# Allegro board 8880F5-0823_RXTX.brd (continued)
## Placement (name value [footprint] x y rotation side) (continued)
NOREF#237  -  []  377.23 273.11 0 top
NOREF#238  -  []  257.09 223.52 90 top
NOREF#239  -  []  327.27 131.64 90 top
NOREF#240  -  []  485.36 257.36 90 top
NOREF#241  -  []  272.55 242.64 0 top
NOREF#242  -  []  303.15 271.32 90 top
NOREF#243  -  []  456.04 222.5 0 top
NOREF#244  -  []  420.62 239.21 90 top
NOREF#245  -  []  338.2 246.67 0 top
NOREF#246  -  []  303.26 139.64 0 top
NOREF#247  -  []  485.36 259.9 90 top
NOREF#248  -  []  258.35 288.91 90 top
NOREF#249  -  []  303.56 233.86 90 top
NOREF#250  -  []  471.21 168.33 0 top
NOREF#251  -  []  106.11 234.24 0 top
NOREF#252  -  []  201.49 146.18 90 top
NOREF#253  -  []  411.09 146.88 90 top
NOREF#254  -  []  334.29 205.56 90 top
NOREF#255  -  []  265.81 296.86 0 top
NOREF#256  -  []  115.61 211.51 90 top
NOREF#257  -  []  262.04 224.72 0 top
NOREF#258  -  []  390.94 289.17 90 top
NOREF#259  -  []  331.62 265.56 90 top
NOREF#260  -  []  415.08 139.89 0 top
NOREF#261  -  []  396.03 146.88 0 top
NOREF#262  -  []  305.94 296.86 0 top
NOREF#263  -  []  383.09 289.12 0 top
NOREF#264  -  []  175.7 243.88 90 top
NOREF#265  -  []  343.63 225.04 90 top
NOREF#266  -  []  465.45 276.41 90 top
NOREF#267  -  []  302.11 180.71 0 top
NOREF#268  -  []  272.55 181.37 0 top
NOREF#269  -  []  229.51 249.2 0 top
NOREF#270  -  []  306.27 216.63 90 top
NOREF#271  -  []  284.77 146.93 90 top
NOREF#272  -  []  219.76 297.18 0 top
NOREF#273  -  []  390.94 273.16 90 top
NOREF#274  -  []  185.2 292.55 90 top
NOREF#275  -  []  371.48 257.11 0 top
NOREF#276  -  []  167.7 206.29 90 top
NOREF#277  -  []  292.74 288.86 0 top
NOREF#278  -  []  343.63 163.82 90 top
NOREF#279  -  []  423.71 181.22 90 top
NOREF#280  -  []  184.47 151.68 90 top
NOREF#281  -  []  392.24 194.78 90 top
NOREF#282  -  []  271.04 181.69 0 top
NOREF#283  -  []  96.58 195.15 0 top
NOREF#284  -  []  310.41 187.61 90 top
NOREF#285  -  []  456.08 230.2 0 top
NOREF#286  -  []  412.88 139.89 0 top
NOREF#287  -  []  252.83 204.65 90 top
NOREF#288  -  []  385.32 161.49 90 top
NOREF#289  -  []  337.09 223.52 90 top
NOREF#290  -  []  122.15 187.53 0 top
NOREF#291  -  []  388.43 146.88 0 top
NOREF#292  -  []  75.98 287.84 90 top
NOREF#293  -  []  352.25 241.05 90 top
NOREF#294  -  []  118.7 182.93 90 top
NOREF#295  -  []  239.33 236.03 0 top
NOREF#296  -  []  230.73 253.69 0 top
NOREF#297  -  []  167.7 204.09 90 top
NOREF#298  -  []  272.8 145.48 90 top
NOREF#299  -  []  352.55 243.91 0 top
NOREF#300  -  []  329.6 224.74 90 top
NOREF#301  -  []  96.33 238.84 0 top
NOREF#302  -  []  211.11 160.4 90 top
NOREF#303  -  []  118.7 222.88 0 top
NOREF#304  -  []  209.23 236.67 90 top
NOREF#305  -  []  380.59 271.21 0 top
NOREF#306  -  []  194.09 173.86 90 top
NOREF#307  -  []  351.34 183.91 0 top
NOREF#308  -  []  272.55 185.18 0 top
NOREF#309  -  []  209.23 250.38 90 top
NOREF#310  -  []  168.13 240.88 90 top
NOREF#311  -  []  317.05 288.86 0 top
NOREF#312  -  []  401.89 180.15 0 top
NOREF#313  -  []  272.25 184.86 90 top
NOREF#314  -  []  327.25 264.35 90 top
NOREF#315  -  []  127.3 228.02 90 top
NOREF#316  -  []  184.89 145.38 90 top
NOREF#317  -  []  334.29 205.55 0 top
NOREF#318  -  []  246.23 233.13 0 top
NOREF#319  -  []  230.43 248.88 90 top
NOREF#320  -  []  287.27 286.96 90 top
NOREF#321  -  []  230.43 194.01 0 top
NOREF#322  -  []  220.36 177.06 0 top
NOREF#323  -  []  237.98 165.04 90 top
NOREF#324  -  []  383.83 209.11 0 top
NOREF#325  -  []  422.7 163.64 0 top
NOREF#326  -  []  216.96 240.71 0 top
NOREF#327  -  []  184.47 204.09 90 top
NOREF#328  -  []  383.09 289.12 0 top
NOREF#329  -  []  337.09 164.74 90 top
NOREF#330  -  []  106.36 190.55 0 top
NOREF#331  -  []  404.4 289.17 90 top
NOREF#332  -  []  250.17 163.82 90 top
NOREF#333  -  []  343.63 165.04 90 top
NOREF#334  -  []  199.59 216.47 90 top
NOREF#335  -  []  331.06 165.04 90 top
NOREF#336  -  []  279.7 155.38 0 top
NOREF#337  -  []  165.8 171.96 0 top
NOREF#338  -  []  471.11 186.77 0 top
NOREF#339  -  []  298.16 248.49 0 top
NOREF#340  -  []  256.45 224.72 0 top
NOREF#341  -  []  477.24 239.09 0 top
NOREF#342  -  []  413.96 182.44 90 top
NOREF#343  -  []  230.73 187.93 0 top
NOREF#344  -  []  404.15 241.11 0 top
NOREF#345  -  []  378.75 256.66 90 top
NOREF#346  -  []  258.1 288.86 0 top
NOREF#347  -  []  192.47 202.99 90 top
NOREF#348  -  []  339.65 264.65 90 top
NOREF#349  -  []  264.29 280.1 0 top
NOREF#350  -  []  331.06 225.04 90 top
NOREF#351  -  []  468.01 222.58 0 top
NOREF#352  -  []  333.33 241.33 90 top
NOREF#353  -  []  371.48 232.6 0 top
NOREF#354  -  []  331.06 163.82 90 top
NOREF#355  -  []  334.29 265.55 0 top
NOREF#356  -  []  407.67 129.99 90 top
NOREF#357  -  []  414.82 249.11 0 top
NOREF#358  -  []  479.44 239.09 0 top
NOREF#359  -  []  112.16 238.84 0 top
NOREF#360  -  []  352.25 184.86 90 top
NOREF#361  -  []  471.21 219.38 90 top
NOREF#362  -  []  555.66 300.54 90 top
NOREF#363  -  []  201.23 227.72 0 top
NOREF#364  -  []  306.83 269.63 90 top
NOREF#365  -  []  107.76 238.84 0 top
NOREF#366  -  []  328.62 290.13 90 top
NOREF#367  -  []  385.18 209.11 90 top
NOREF#368  -  []  511.59 273.87 90 top
NOREF#369  -  []  201.66 186.02 90 top
NOREF#370  -  []  230.43 193.37 0 top
NOREF#371  -  []  272.25 249.18 90 top
NOREF#372  -  []  306.85 271.67 0 top
NOREF#373  -  []  182.57 240.28 90 top
NOREF#374  -  []  373.73 207.21 0 top
NOREF#375  -  []  386.46 139.89 0 top
NOREF#376  -  []  108.27 171.02 0 top
NOREF#377  -  []  116.01 222.33 0 top
NOREF#378  -  []  209.49 164.3 90 top
NOREF#379  -  []  546.67 300.44 90 top
NOREF#380  -  []  201.49 151.93 90 top
NOREF#381  -  []  406.65 287.22 90 top
NOREF#382  -  []  339.33 265.56 90 top
NOREF#383  -  []  201.49 178.86 90 top
NOREF#384  -  []  165.8 144.78 90 top
NOREF#385  -  []  175.8 228.97 90 top
NOREF#386  -  []  100.73 238.84 0 top
NOREF#387  -  []  331.38 163.52 90 top
NOREF#388  -  []  408.02 287.22 0 top
NOREF#389  -  []  396.55 257.37 0 top
NOREF#390  -  []  251.62 265.55 0 top
NOREF#391  -  []  259.45 288.86 90 top
NOREF#392  -  []  218.16 177.06 0 top
NOREF#393  -  []  251.05 265.86 90 top
NOREF#394  -  []  475.04 195.66 0 top
NOREF#395  -  []  405.5 225.11 90 top
NOREF#396  -  []  278.6 147.38 0 top
NOREF#397  -  []  342.36 223.82 90 top
NOREF#398  -  []  371.73 281.11 0 top
NOREF#399  -  []  192.47 264.1 90 top
NOREF#400  -  []  272.25 181.69 0 top
NOREF#401  -  []  201.49 174.46 90 top
NOREF#402  -  []  422.95 163.69 90 top
NOREF#403  -  []  228.36 262.16 45 top
NOREF#404  -  []  385.61 208.56 90 top
NOREF#405  -  []  252.51 205.56 0 top
NOREF#406  -  []  318.32 131.64 0 top
NOREF#407  -  []  400.85 233.11 0 top
NOREF#408  -  []  184.47 201.89 90 top
NOREF#409  -  []  351.34 181.37 0 top
NOREF#410  -  []  483.04 195.66 0 top
NOREF#411  -  []  199.59 171.96 90 top
NOREF#412  -  []  259.88 288.31 90 top
NOREF#413  -  []  333.4 264.35 90 top
NOREF#414  -  []  258.2 246.67 0 top
NOREF#415  -  []  309.51 186.66 0 top
NOREF#416  -  []  301.56 231.46 0 top
NOREF#417  -  []  343.31 224.72 0 top
NOREF#418  -  []  310.41 247.61 90 top
NOREF#419  -  []  302.11 240.71 0 top
NOREF#420  -  []  254.8 296.86 0 top
NOREF#421  -  []  262.36 165.04 90 top
NOREF#422  -  []  199.59 189.04 90 top
NOREF#423  -  []  404.4 241.16 90 top
NOREF#424  -  []  167.7 200.54 90 top
NOREF#425  -  []  128.05 273.87 90 top
NOREF#426  -  []  230.43 186.34 90 top
NOREF#427  -  []  230.43 187.61 90 top
NOREF#428  -  []  419.47 273.37 90 top
NOREF#429  -  []  461.96 217.98 0 top
NOREF#430  -  []  182.82 203.01 90 top
NOREF#431  -  []  404.4 273.16 90 top
NOREF#432  -  []  272.55 249.5 0 top
NOREF#433  -  []  330.18 242.88 0 top
NOREF#434  -  []  461.86 230.75 0 top
NOREF#435  -  []  511.59 259.9 90 top
NOREF#436  -  []  310.43 248.88 0 top
NOREF#437  -  []  167.7 134.07 90 top
NOREF#438  -  []  312.21 144.34 0 top
NOREF#439  -  []  408.02 239.21 0 top
NOREF#440  -  []  165.8 185.42 0 top
NOREF#441  -  []  262.04 164.74 0 top
NOREF#442  -  []  250.5 288.86 0 top
NOREF#443  -  []  273.81 286.96 90 top
NOREF#444  -  []  371.73 297.12 0 top
NOREF#445  -  []  295.96 177.06 0 top
NOREF#446  -  []  209.23 209.49 90 top
NOREF#447  -  []  379.48 222.7 90 top
NOREF#448  -  []  310.73 249.2 0 top
NOREF#449  -  []  201.23 190.12 90 top
NOREF#450  -  []  250.74 224.74 0 top
NOREF#451  -  []  395.2 249.11 0 top
NOREF#452  -  []  106.76 215.26 0 top
NOREF#453  -  []  182.57 226.57 90 top
NOREF#454  -  []  167.7 260.9 90 top
NOREF#455  -  []  412.62 289.12 0 top
NOREF#456  -  []  394 217.36 0 top
NOREF#457  -  []  177.33 214.75 90 top
NOREF#458  -  []  209.33 228.97 90 top
NOREF#459  -  []  252.83 205.86 90 top
NOREF#460  -  []  346.08 288.86 0 top
NOREF#461  -  []  351.34 249.5 0 top
NOREF#462  -  []  217.41 273.24 90 top
NOREF#463  -  []  223.56 185.29 90 top
NOREF#464  -  []  319.33 236.03 90 top
NOREF#465  -  []  408.37 258.64 90 top
NOREF#466  -  []  259.33 265.55 0 top
NOREF#467  -  []  118.33 273.87 90 top
NOREF#468  -  []  182.57 171.96 90 top
NOREF#469  -  []  290.11 280.1 0 top
NOREF#470  -  []  167.7 214 90 top
NOREF#471  -  []  199.33 226.57 0 top
NOREF#472  -  []  271.04 184.23 0 top
NOREF#473  -  []  184.47 147.28 90 top
NOREF#474  -  []  453.88 239.34 0 top
NOREF#475  -  []  120.21 178.64 0 top
NOREF#476  -  []  378.75 224.15 90 top
NOREF#477  -  []  167.7 159.65 0 top
NOREF#478  -  []  127.55 191.95 90 top
NOREF#479  -  []  322.23 173.13 0 top
NOREF#480  -  []  352.24 189.18 90 top
NOREF#481  -  []  251.94 205.86 90 top
NOREF#482  -  []  344.62 131.89 90 top
NOREF#483  -  []  88.64 247.45 90 top
NOREF#484  -  []  116.01 214.71 0 top
NOREF#485  -  []  118.99 166.5 90 top
NOREF#486  -  []  259.33 265.56 0 top
NOREF#487  -  []  256.77 163.82 90 top
NOREF#488  -  []  167.7 247.18 90 top
NOREF#489  -  []  459.28 168.33 90 top
NOREF#490  -  []  168.13 145.38 90 top
NOREF#491  -  []  247.89 264.35 90 top
NOREF#492  -  []  296.96 180.71 0 top
NOREF#493  -  []  122.44 171.1 0 top
NOREF#494  -  []  339.97 204.35 90 top
NOREF#495  -  []  237.66 224.72 0 top
NOREF#496  -  []  259.33 265.56 90 top
NOREF#497  -  []  475.04 195.66 0 top
NOREF#498  -  []  419.73 131.89 90 top
NOREF#499  -  []  246.63 142.04 0 top
NOREF#500  -  []  109.96 238.84 0 top
NOREF#501  -  []  305.83 264.31 0 top
NOREF#502  -  []  254.61 205.86 90 top
NOREF#503  -  []  259.33 204.35 90 top
NOREF#504  -  []  366.88 222.7 0 top
NOREF#505  -  []  336.77 223.82 90 top
NOREF#506  -  []  331.94 264.65 90 top
NOREF#507  -  []  317.05 288.86 0 top
NOREF#508  -  []  217.41 213.24 0 top
NOREF#509  -  []  390.34 192.28 90 top
NOREF#510  -  []  300.01 288.41 90 top
NOREF#511  -  []  289.29 296.86 0 top
NOREF#512  -  []  120.21 178.64 0 top
NOREF#513  -  []  209.49 168.6 90 top
NOREF#514  -  []  310.73 253.69 0 top
NOREF#515  -  []  115.61 219.13 90 top
NOREF#516  -  []  272.25 241.69 0 top
NOREF#517  -  []  346.27 129.42 90 top
NOREF#518  -  []  385.19 265.11 0 top
NOREF#519  -  []  167.7 132.72 0 top
NOREF#520  -  []  118.7 195.7 0 top
NOREF#521  -  []  264.72 272.65 90 top
NOREF#522  -  []  237.66 164.72 0 top
NOREF#523  -  []  128.24 171.1 0 top
NOREF#524  -  []  377.48 289.17 90 top
NOREF#525  -  []  106.29 174.19 90 top
NOREF#526  -  []  461.96 166.93 0 top
NOREF#527  -  []  401.89 180.15 0 top
NOREF#528  -  []  311.69 288.91 90 top
NOREF#529  -  []  127.3 235.64 90 top
NOREF#530  -  []  528.1 259.9 90 top
NOREF#531  -  []  272.24 183.59 90 top
NOREF#532  -  []  261.21 286.96 0 top
NOREF#533  -  []  397.8 179.7 90 top
NOREF#534  -  []  408.02 271.47 0 top
NOREF#535  -  []  390.69 257.11 0 top
NOREF#536  -  []  230.41 243.09 90 top
NOREF#537  -  []  412.62 297.12 0 top
NOREF#538  -  []  310.43 254.01 0 top
NOREF#539  -  []  36.1 129.71 90 top
NOREF#540  -  []  405.93 240.56 90 top
NOREF#541  -  []  175.7 209.49 90 top
NOREF#542  -  []  35.83 132.61 0 top
NOREF#543  -  []  271.34 182.64 0 top
NOREF#544  -  []  271.31 288.86 0 top
NOREF#545  -  []  332.51 205.56 90 top
NOREF#546  -  []  410.52 289.12 0 top
NOREF#547  -  []  272.24 184.86 90 top
NOREF#548  -  []  317.66 224.74 0 top
NOREF#549  -  []  165.8 158.5 0 top
NOREF#550  -  []  184.47 256.5 90 top
NOREF#551  -  []  406.52 131.89 90 top
NOREF#552  -  []  199.59 145.03 0 top
NOREF#553  -  []  369.63 273.11 0 top
NOREF#554  -  []  94.93 190.55 0 top
NOREF#555  -  []  339.65 265.86 90 top
NOREF#556  -  []  326 288.86 90 top
NOREF#557  -  []  463.11 230.2 0 top
NOREF#558  -  []  249.85 164.72 0 top
NOREF#559  -  []  201.23 241.43 0 top
NOREF#560  -  []  271.04 189.82 0 top
NOREF#561  -  []  419.9 154.88 0 top
NOREF#562  -  []  378.33 217.11 0 top
NOREF#563  -  []  330.49 164.74 90 top
NOREF#564  -  []  411.26 179.6 90 top
NOREF#565  -  []  119.7 238.84 0 top
NOREF#566  -  []  383.09 273.11 0 top
NOREF#567  -  []  199.33 185.42 0 top
NOREF#568  -  []  336.45 164.72 0 top
NOREF#569  -  []  248.33 187.93 0 top
NOREF#570  -  []  184.47 149.48 90 top
NOREF#571  -  []  473.6 162.62 90 top
NOREF#572  -  []  238.3 224.74 90 top
NOREF#573  -  []  473.79 234.49 90 top
NOREF#574  -  []  410.78 131.89 0 top
NOREF#575  -  []  221.56 179.06 0 top
NOREF#576  -  []  352.25 244.23 0 top
NOREF#577  -  []  411.26 179.7 90 top
NOREF#578  -  []  286.81 272.1 0 top
NOREF#579  -  []  352.25 249.18 90 top
NOREF#580  -  []  75.98 271.33 90 top
NOREF#581  -  []  374.88 217.11 0 top
NOREF#582  -  []  167.7 219.75 90 top
NOREF#583  -  []  381.2 226.12 90 top
NOREF#584  -  []  211.11 173.86 90 top
NOREF#585  -  []  329.6 163.52 90 top
NOREF#586  -  []  167.7 178.86 90 top
NOREF#587  -  []  247.78 140.14 0 top
NOREF#588  -  []  201.49 159.65 0 top
NOREF#589  -  []  118.7 188.08 0 top
NOREF#590  -  []  108.01 222.33 0 top
NOREF#591  -  []  250.73 205.56 0 top
NOREF#592  -  []  167.7 241.43 0 top
NOREF#593  -  []  272.25 182.96 0 top
NOREF#594  -  []  410.27 257.37 0 top
NOREF#595  -  []  177.33 228.47 90 top
NOREF#596  -  []  342.04 164.74 0 top
NOREF#597  -  []  310.43 188.88 90 top
NOREF#598  -  []  192.47 150.58 90 top
NOREF#599  -  []  118.7 222.88 0 top
NOREF#600  -  []  528.1 273.87 90 top
NOREF#601  -  []  185.2 290.01 90 top
NOREF#602  -  []  352.25 189.82 0 top
NOREF#603  -  []  330.17 163.82 90 top
NOREF#604  -  []  167.7 242.78 90 top
NOREF#605  -  []  199.59 230.19 90 top
NOREF#606  -  []  309.51 243.41 0 top
NOREF#607  -  []  369.38 241.11 0 top
NOREF#608  -  []  229.21 186.34 0 top
NOREF#609  -  []  450.03 225.6 0 top
NOREF#610  -  []  310.73 189.2 0 top
NOREF#611  -  []  263.31 224.74 0 top
NOREF#612  -  []  423.61 188.92 90 top
NOREF#613  -  []  118.99 171.65 0 top
NOREF#614  -  []  450.03 182.17 0 top
NOREF#615  -  []  339.33 264.35 90 top
NOREF#616  -  []  310.41 186.34 90 top
NOREF#617  -  []  459.28 192.71 90 top
NOREF#618  -  []  112.67 171.02 0 top
NOREF#619  -  []  318.3 223.52 90 top
NOREF#620  -  []  322.23 173.13 90 top
NOREF#621  -  []  336.45 224.72 0 top
NOREF#622  -  []  229.51 246.66 0 top
NOREF#623  -  []  300.11 273.24 90 top
NOREF#624  -  []  272.24 244.86 90 top
NOREF#625  -  []  410.52 273.37 0 top
NOREF#626  -  []  300.01 288.31 90 top
NOREF#627  -  []  385.19 289.12 0 top
NOREF#628  -  []  386.53 181.42 90 top
NOREF#629  -  []  424.55 146.88 90 top
NOREF#630  -  []  465.31 186.77 0 top
NOREF#631  -  []  473.7 176.22 90 top
NOREF#632  -  []  315.82 129.74 0 top
NOREF#633  -  []  309.05 211.67 0 top
NOREF#634  -  []  373.32 164.66 90 top
NOREF#635  -  []  463.61 171.53 0 top
NOREF#636  -  []  249.6 224.74 90 top
NOREF#637  -  []  412.79 209.06 90 top
NOREF#638  -  []  412.6 161.74 0 top
NOREF#639  -  []  310.43 187.61 0 top
NOREF#640  -  []  295.19 271.65 90 top
NOREF#641  -  []  306.71 139.64 0 top
NOREF#642  -  []  408.63 242.38 90 top
NOREF#643  -  []  410.52 241.11 0 top
NOREF#644  -  []  250.73 265.56 0 top
NOREF#645  -  []  327.57 205.86 90 top
NOREF#646  -  []  263.14 270.2 90 top
NOREF#647  -  []  394.05 239.21 0 top
NOREF#648  -  []  199.59 171.96 0 top
NOREF#649  -  []  310.43 247.61 0 top
NOREF#650  -  []  295.96 237.06 0 top
NOREF#651  -  []  284.36 280.1 0 top
NOREF#652  -  []  250.73 265.55 0 top
NOREF#653  -  []  352.25 245.5 0 top
NOREF#654  -  []  352.24 184.86 90 top
NOREF#655  -  []  338.11 288.86 0 top
NOREF#656  -  []  453.88 195.91 0 top
NOREF#657  -  []  230.41 247.61 90 top
NOREF#658  -  []  397.8 179.6 90 top
NOREF#659  -  []  396.28 163.69 90 top
NOREF#660  -  []  352.55 242.64 0 top
NOREF#661  -  []  410.52 289.12 0 top
NOREF#662  -  []  192.47 218.65 90 top
NOREF#663  -  []  248.61 290.13 90 top
NOREF#664  -  []  166.06 175.58 90 top
NOREF#665  -  []  377.23 257.16 90 top
NOREF#666  -  []  377.32 180.15 0 top
NOREF#667  -  []  300.36 248.49 0 top
NOREF#668  -  []  311.44 288.86 0 top
NOREF#669  -  []  333.72 264.65 90 top
NOREF#670  -  []  165.8 185.42 90 top
NOREF#671  -  []  334.29 205.56 0 top
NOREF#672  -  []  327.7 131.09 90 top
NOREF#673  -  []  399.07 208.91 90 top
NOREF#674  -  []  177.33 133.47 90 top
NOREF#675  -  []  201.91 145.63 90 top
NOREF#676  -  []  306.71 152.34 0 top
NOREF#677  -  []  194.09 201.29 90 top
NOREF#678  -  []  251.05 205.86 90 top
NOREF#679  -  []  377.32 188.15 0 top
NOREF#680  -  []  230.43 183.09 0 top
NOREF#681  -  []  332.83 265.86 90 top
NOREF#682  -  []  387.39 232.85 0 top
NOREF#683  -  []  387.39 281.11 0 top
NOREF#684  -  []  310.73 249.2 0 top
NOREF#685  -  []  242.23 233.13 90 top
NOREF#686  -  []  201.23 241.43 90 top
NOREF#687  -  []  182.82 175.58 90 top
NOREF#688  -  []  230.43 188.88 90 top
NOREF#689  -  []  167.7 233.47 90 top
NOREF#690  -  []  387.08 171.64 0 top
NOREF#691  -  []  463.61 214.96 0 top
NOREF#692  -  []  201.23 206.29 90 top
NOREF#693  -  []  396.55 289.12 0 top
NOREF#694  -  []  397.38 163.64 90 top
NOREF#695  -  []  309.21 248.88 0 top
NOREF#696  -  []  384.59 162.94 90 top
NOREF#697  -  []  238.45 257.01 0 top
NOREF#698  -  []  461.86 187.32 0 top
NOREF#699  -  []  252.51 265.55 0 top
NOREF#700  -  []  119.95 222.33 0 top
NOREF#701  -  []  333.4 205.56 90 top
NOREF#702  -  []  167.7 256.5 90 top
NOREF#703  -  []  127.84 167.9 90 top
NOREF#704  -  []  184.47 186.57 0 top
NOREF#705  -  []  118.33 289.48 90 top
NOREF#706  -  []  417.87 257.37 0 top
NOREF#707  -  []  201.23 192.32 90 top
NOREF#708  -  []  118.45 234.24 90 top
NOREF#709  -  []  167.7 149.48 90 top
NOREF#710  -  []  184.47 217.55 90 top
NOREF#711  -  []  230.43 188.88 0 top
NOREF#712  -  []  471.21 175.95 90 top
NOREF#713  -  []  415.6 146.88 0 top
NOREF#714  -  []  175.7 195.52 90 top
NOREF#715  -  []  368.03 232.6 0 top
NOREF#716  -  []  327.25 265.55 0 top
NOREF#717  -  []  339.46 288.86 90 top
NOREF#718  -  []  252.51 205.56 90 top
NOREF#719  -  []  376.98 241.11 0 top
NOREF#720  -  []  253.4 205.55 0 top
NOREF#721  -  []  192.47 195.52 90 top
NOREF#722  -  []  165.8 240.28 0 top
NOREF#723  -  []  411.26 163.09 90 top
NOREF#724  -  []  242.23 173.13 90 top
NOREF#725  -  []  230.73 189.2 0 top
NOREF#726  -  []  209.59 174.36 90 top
NOREF#727  -  []  230.43 248.88 90 top
NOREF#728  -  []  318.3 163.52 90 top
NOREF#729  -  []  300.74 286.96 90 top
NOREF#730  -  []  554.86 298.45 0 top
NOREF#731  -  []  175.7 168.6 90 top
NOREF#732  -  []  450.03 166.93 0 top
NOREF#733  -  []  297.71 276.09 0 top
NOREF#734  -  []  390.59 195.9 90 top
NOREF#735  -  []  378.75 224.05 90 top
NOREF#736  -  []  331.62 205.56 0 top
NOREF#737  -  []  369.38 224.6 0 top
NOREF#738  -  []  182.57 212.85 90 top
NOREF#739  -  []  414.57 265.37 0 top
NOREF#740  -  []  299.81 213.69 90 top
NOREF#741  -  []  201.23 206.29 90 top
NOREF#742  -  []  229.51 186.66 0 top
NOREF#743  -  []  229.51 193.69 0 top
NOREF#744  -  []  393.19 271.21 90 top
NOREF#745  -  []  296.96 240.71 0 top
NOREF#746  -  []  184.47 231.27 90 top
NOREF#747  -  []  478.57 293.82 90 top
NOREF#748  -  []  481.96 273.87 90 top
NOREF#749  -  []  473.6 206.05 90 top
NOREF#750  -  []  411.26 163.19 90 top
NOREF#751  -  []  367.13 271.21 0 top
NOREF#752  -  []  119.7 231.22 0 top
NOREF#753  -  []  303.56 245.29 90 top
NOREF#754  -  []  401.89 163.64 0 top
NOREF#755  -  []  409.99 146.93 90 top
NOREF#756  -  []  106.03 217.88 90 top
NOREF#757  -  []  300.36 188.49 0 top
NOREF#758  -  []  101.82 287.84 90 top
NOREF#759  -  []  317.98 165.04 90 top
NOREF#760  -  []  329.6 223.52 90 top
NOREF#761  -  []  465.45 292.92 90 top
NOREF#762  -  []  242.23 233.13 0 top
NOREF#763  -  []  424.47 163.19 90 top
NOREF#764  -  []  316.97 139.64 0 top
NOREF#765  -  []  101.82 273.87 90 top
NOREF#766  -  []  297.71 216.09 0 top
NOREF#767  -  []  223.15 211.32 90 top
NOREF#768  -  []  263.71 288.86 0 top
NOREF#769  -  []  229.21 183.09 0 top
NOREF#770  -  []  247.25 205.55 0 top
NOREF#771  -  []  342.36 165.04 90 top
NOREF#772  -  []  339.33 205.56 0 top
NOREF#773  -  []  388.35 217.36 0 top
NOREF#774  -  []  290.64 288.86 0 top
NOREF#775  -  []  184.47 176.66 90 top
NOREF#776  -  []  35.83 128.17 90 top
NOREF#777  -  []  108.01 214.71 0 top
NOREF#778  -  []  175.7 230.17 90 top
NOREF#779  -  []  271.34 181.37 0 top
NOREF#780  -  []  215.96 248.49 0 top
NOREF#781  -  []  420.62 271.47 90 top
NOREF#782  -  []  460.89 174.46 90 top
NOREF#783  -  []  390.94 257.16 90 top
NOREF#784  -  []  177.33 187.32 90 top
NOREF#785  -  []  305.83 204.31 0 top
NOREF#786  -  []  331.05 265.86 90 top
NOREF#787  -  []  395.07 129.99 0 top
NOREF#788  -  []  192.47 222.95 90 top
NOREF#789  -  []  352.25 242.96 0 top
NOREF#790  -  []  272.24 189.18 90 top
NOREF#791  -  []  310.43 248.88 90 top
NOREF#792  -  []  380.59 239.21 0 top
NOREF#793  -  []  333.4 265.56 0 top
NOREF#794  -  []  399.07 208.81 90 top
NOREF#795  -  []  230.41 187.61 90 top
NOREF#796  -  []  177.33 160.4 90 top
NOREF#797  -  []  400.24 195.88 90 top
NOREF#798  -  []  372.72 178.25 0 top
NOREF#799  -  []  260.55 136.46 90 top
NOREF#800  -  []  373.83 192.28 90 top
NOREF#801  -  []  248.21 132.69 90 top
NOREF#802  -  []  379.01 288.67 90 top
NOREF#803  -  []  309.51 246.66 0 top
NOREF#804  -  []  127.95 187.53 0 top
NOREF#805  -  []  100.98 195.15 0 top
NOREF#806  -  []  473.79 239.64 0 top
NOREF#807  -  []  237.98 163.82 90 top
NOREF#808  -  []  309.51 183.41 0 top
NOREF#809  -  []  405.5 257.37 90 top
NOREF#810  -  []  192.47 154.88 90 top
NOREF#811  -  []  108.01 214.71 0 top
NOREF#812  -  []  167.7 186.57 0 top
NOREF#813  -  []  412.88 131.89 0 top
NOREF#814  -  []  322.23 233.13 90 top
NOREF#815  -  []  351.34 241.37 0 top
NOREF#816  -  []  495.08 259.9 90 top
NOREF#817  -  []  461.86 187.32 0 top
NOREF#818  -  []  253.53 140.14 0 top
NOREF#819  -  []  218.16 188.49 0 top
NOREF#820  -  []  334.61 205.86 90 top
NOREF#821  -  []  392.47 224.3 90 top
NOREF#822  -  []  331.06 223.82 90 top
NOREF#823  -  []  272.55 243.91 0 top
NOREF#824  -  []  405.17 131.89 0 top
NOREF#825  -  []  209.33 242.68 90 top
NOREF#826  -  []  394.46 129.99 90 top
NOREF#827  -  []  263.71 288.86 0 top
NOREF#828  -  []  251.05 264.65 90 top
NOREF#829  -  []  184.89 213.45 90 top
NOREF#830  -  []  274.67 286.96 0 top
NOREF#831  -  []  373.83 192.28 0 top
NOREF#832  -  []  309.21 253.37 0 top
NOREF#833  -  []  343.31 164.74 0 top
NOREF#834  -  []  325.92 131.64 0 top
NOREF#835  -  []  343.95 223.52 90 top
NOREF#836  -  []  367.48 225.87 90 top
NOREF#837  -  []  397.57 131.89 0 top
NOREF#838  -  []  93.76 290.38 90 top
NOREF#839  -  []  331.38 223.52 90 top
NOREF#840  -  []  397.8 146.33 90 top
NOREF#841  -  []  346.27 135.17 90 top
NOREF#842  -  []  390.53 163.64 0 top
NOREF#843  -  []  332.51 205.56 0 top
NOREF#844  -  []  257.09 163.52 90 top
NOREF#845  -  []  398.65 225.11 0 top
NOREF#846  -  []  328.96 164.74 0 top
NOREF#847  -  []  272.25 184.23 0 top
NOREF#848  -  []  249.85 224.72 0 top
NOREF#849  -  []  310.73 186.66 0 top
NOREF#850  -  []  288.14 286.96 0 top
NOREF#851  -  []  460.93 166.93 90 top
NOREF#852  -  []  222.11 180.71 0 top
NOREF#853  -  []  119.95 222.33 0 top
NOREF#854  -  []  410.52 289.12 0 top
NOREF#855  -  []  251.38 224.74 90 top
NOREF#856  -  []  155.57 272.6 90 top
NOREF#857  -  []  230.43 249.52 0 top
NOREF#858  -  []  199.33 199.39 90 top
NOREF#859  -  []  413.75 171.64 0 top
NOREF#860  -  []  463.11 186.77 0 top
NOREF#861  -  []  247.57 204.65 90 top
NOREF#862  -  []  352.55 245.18 0 top
NOREF#863  -  []  332.61 288.86 0 top
NOREF#864  -  []  252.51 264.35 90 top
NOREF#865  -  []  448.94 273.87 90 top
NOREF#866  -  []  468.01 179.15 0 top
NOREF#867  -  []  367.73 290.39 90 top
NOREF#868  -  []  399.99 181.42 90 top
NOREF#869  -  []  409.17 281.37 0 top
NOREF#870  -  []  247.57 204.65 90 top
NOREF#871  -  []  167.7 159.65 90 top
NOREF#872  -  []  215.96 248.49 0 top
NOREF#873  -  []  124.1 231.22 0 top
NOREF#874  -  []  392.47 224.4 90 top
NOREF#875  -  []  316.43 132.91 90 top
NOREF#876  -  []  252.51 205.55 0 top
NOREF#877  -  []  528.1 257.36 90 top
NOREF#878  -  []  309.21 193.37 0 top
NOREF#879  -  []  352.55 181.37 0 top
NOREF#880  -  []  411.01 209.61 0 top
NOREF#881  -  []  175.7 232.37 90 top
NOREF#882  -  []  410.52 241.11 0 top
NOREF#883  -  []  351.04 249.82 0 top
NOREF#884  -  []  456.08 171.53 0 top
NOREF#885  -  []  392.47 256.66 90 top
NOREF#886  -  []  385.93 144.98 0 top
NOREF#887  -  []  312.25 211.67 90 top
NOREF#888  -  []  485.36 292.02 90 top
